# KiCad board nvme Carrier for LattePanda Mu.kicad_pcb (continued)
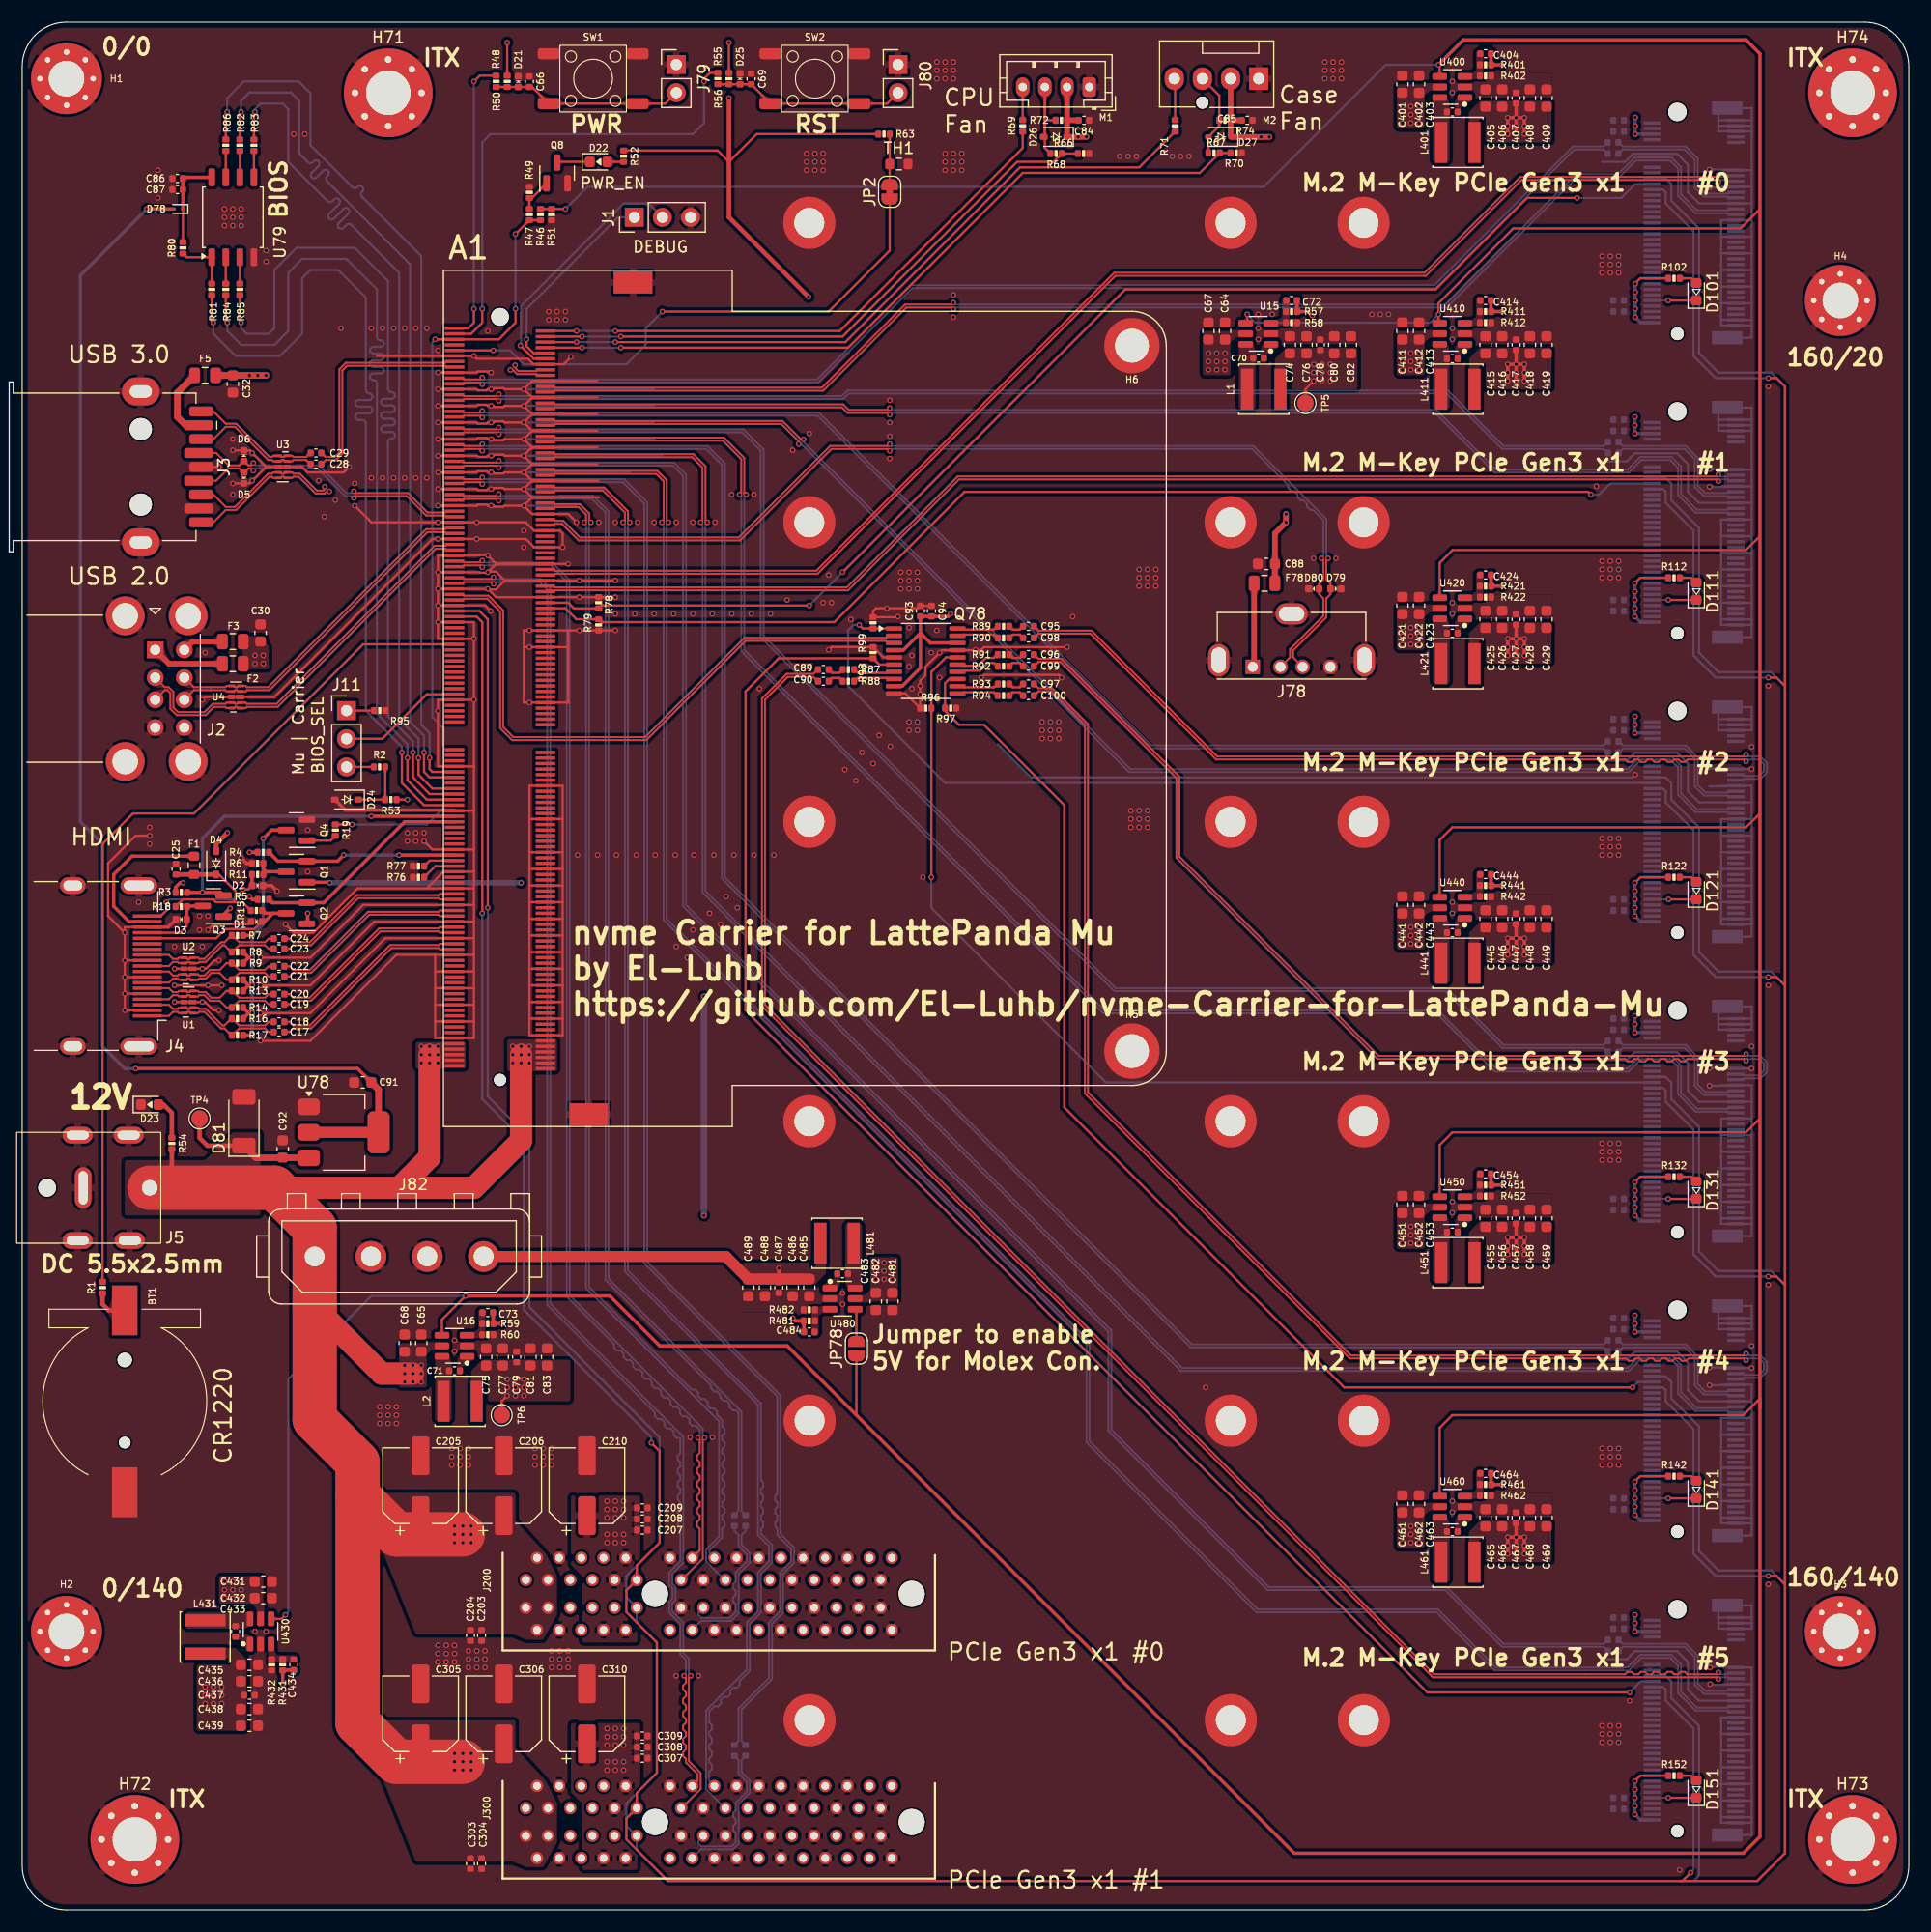
[diagram p0: board, top side]
## Routing (per net, layer and track width the routed paths; a pad name or vN(x,y) marks a point on that pad's centre or on a via; arc(x,y) is an arc through that point) (continued)
/Fan_Temp/FAN_1_PWM: length 51.4
  Top w0.2: R69.1 90.25,158.85 73.75,142.35 v1(53.5,142.35) ; A1.2 v1(50,142.35)
  Bottom w0.2: v1(50,142.35) v1(53.5,142.35)
/Fan_Temp/FAN_1_TAC: length 54.9
  Top w0.2: R66.1 R68.2 93.02,157.6 89.75,157.6 74,141.85 v1(54,141.85) ; v1(50.5,141.85) A1.4
  Bottom w0.2: v1(54,141.85) v1(50.5,141.85)
/Fan_Temp/FAN_2_PWM: length 64.7
  Top w0.2: R71.1 100.76,157.1 90,157.1 74.25,141.35 v1(53.5,141.35) ; A1.6 v1(50,141.35)
  Bottom w0.2: v1(50,141.35) v1(53.5,141.35)
/Fan_Temp/FAN_2_TAC: length 69.1
  Top w0.2: R67.1 R70.1 106.22,156.6 90.25,156.6 74.5,140.85 v1(54,140.85) ; A1.8 v1(50.5,140.85)
  Bottom w0.2: v1(50.5,140.85) v1(54,140.85)
/Fan_Temp/TEMP: length 49.5
  Top w0.2: v1(57.75,144.1) 72.75,144.1 78.25,149.6 JP2.1 ; v1(42.5,140.6) A1.9
  Bottom w0.2: v1(42.5,140.6) 44,140.6 45.25,139.35 54.5,139.35 56.25,141.1 56.25,142.6 v1(57.75,144.1)
/HDMI/DDC_SCL: length 14.5
  Top w0.2: J4.15 17.5,87.6 18.33,88.43 20.94,88.43 D1.2
  Top w0.3: 22.62,89.85 21.87,89.1 D1.2 ; 22.62,89.85 21.89,89.85 R15.2 ; 22.62,89.85 Q2.3
/HDMI/DDC_SDA: length 7
  Top w0.2: D3.2 14.84,88.69 14.25,88.1 J4.16
  Top w0.3: Q3.3 14.92,90.51 R18.2 14.84,90.43 D3.2
/HDMI/DDI_B_DDC_SCL: length 19.9
  Top w0.3: R5.2 22.56,90.8 Q2.2 27.2,90.8 34.5,98.1 A1.171
/HDMI/DDI_B_DDC_SDA: length 31.9
  Top w0.3: v1(31.5,98.6) A1.169 ; Q3.2 17.89,91.74 R3.2
  Bottom w0.3: v1(31.5,98.6) 18.25,98.6 16.25,96.6 v1(16.25,91.74)
/HDMI/DDI_B_HPD: length 17.3
  Top w0.3: v1(29,95.1) 28.45,94.55 Q1.2 23.06,94.55 R4.2 ; v1(34,95.1) A1.183
  Bottom w0.3: v1(29,95.1) v1(34,95.1)
/HDMI/DDI_B_TX0+: length 18.5
  Top w0.171: A1.217 37.69,86.6 37.57,86.71 33.31,86.71 26.06,79.47 24.44,79.47 24.12,79.15 C17.1
/HDMI/DDI_B_TX0-: length 18.5
  Top w0.171: C18.1 24.12,80.07 24.44,79.74 25.95,79.74 33.19,86.99 37.57,86.99 37.69,87.1 A1.215
/HDMI/DDI_B_TX1+: length 18.1
  Top w0.171: A1.211 37.69,88.1 37.57,88.21 32.31,88.21 26.06,81.97 24.44,81.97 24.12,81.65 C19.1
/HDMI/DDI_B_TX1-: length 18.1
  Top w0.171: C20.1 24.12,82.57 24.44,82.24 25.95,82.24 32.19,88.49 37.57,88.49 37.69,88.6 A1.209
/HDMI/DDI_B_TX2+: length 17.7
  Top w0.171: A1.205 37.69,89.6 37.57,89.71 31.31,89.71 26.07,84.48 24.44,84.48 24.12,84.15 C21.1
/HDMI/DDI_B_TX2-: length 17.7
  Top w0.171: A1.203 37.69,90.1 37.57,89.99 31.19,89.99 25.96,84.75 24.44,84.75 24.12,85.07 C22.1
/HDMI/DDI_B_TX3+: length 17.3
  Top w0.171: C23.1 24.12,86.64 24.44,86.97 26.06,86.97 30.31,91.21 37.57,91.21 37.69,91.1 A1.199
/HDMI/DDI_B_TX3-: length 17.3
  Top w0.171: A1.197 37.69,91.6 37.57,91.49 30.19,91.49 25.95,87.24 24.44,87.24 24.12,87.56 C24.1
/HDMI/HPD: length 12.1
  Top w0.2: v1(13,90.85) 13,90.1 12.5,89.6 J4.19 ; v1(19.92,92) 20.4,92 D2.2
  Top w0.3: D2.2 20.73,92.37 R11.2
  Bottom w0.2: v1(13,90.85) 13.25,91.1 19.02,91.1 v1(19.92,92)
/HDMI/TMDS_CK+: length 13
  Top w0.171: J4.10 13.24,85.1 13.6,85.46 14.03,85.46 14.14,85.35 U2.7 14.8,85.35 14.91,85.46 15.09,85.46 15.2,85.35 U2.4 15.86,85.35 15.97,85.46 16.56,85.46 18.06,86.97 18.25,86.97 18.86,86.36 R8.1 18.96,86.36 19.57,86.97 19.78,86.97 19.78,86.97 21.9,86.97 22.22,86.64 C23.2
/HDMI/TMDS_CK-: length 13
  Top w0.171: J4.12 13.24,86.1 13.6,85.74 14.03,85.74 14.14,85.85 U2.6 14.8,85.85 14.91,85.74 15.09,85.74 15.2,85.85 U2.5 15.86,85.85 15.97,85.74 16.44,85.74 17.95,87.24 18.25,87.24 18.86,87.86 R7.1 18.96,87.86 19.57,87.24 19.89,87.24 19.89,87.24 21.9,87.24 22.22,87.56 C24.2
/HDMI/TMDS_D0+: length 12.6
  Top w0.171: J4.7 13.24,83.6 13.6,83.96 14.03,83.96 14.14,83.85 U2.10 14.8,83.85 14.91,83.96 15.09,83.96 15.2,83.85 U2.1 15.86,83.85 15.97,83.96 16.56,83.96 17.06,84.47 17.82,84.47 18.43,83.86 R10.1 18.96,83.86 19.57,84.47 19.99,84.47 20,84.48 21.9,84.48 22.22,84.15 C21.2
/HDMI/TMDS_D0-: length 12.6
  Top w0.171: C22.2 22.22,85.07 21.9,84.75 19.9,84.75 19.89,84.74 19.57,84.74 18.96,85.36 R9.1 18.43,85.36 17.82,84.74 16.95,84.74 16.44,84.24 15.97,84.24 15.86,84.35 U2.2 15.2,84.35 15.09,84.24 14.91,84.24 14.8,84.35 U2.9 14.14,84.35 14.03,84.24 13.6,84.24 13.24,84.6 J4.9
/HDMI/TMDS_D1+: length 12.6
  Top w0.171: C19.2 22.22,81.65 21.9,81.97 19.57,81.97 18.96,81.36 R14.1 18.43,81.36 17.82,81.97 16.94,81.97 16.44,82.46 15.97,82.46 15.86,82.35 U1.4 15.2,82.35 15.09,82.46 14.91,82.46 14.8,82.35 U1.7 14.14,82.35 14.03,82.46 13.6,82.46 13.24,82.1 J4.4
/HDMI/TMDS_D1-: length 12.6
  Top w0.171: C20.2 22.22,82.57 21.9,82.24 19.57,82.24 18.96,82.86 R13.1 18.43,82.86 17.82,82.24 17.05,82.24 16.56,82.74 15.97,82.74 15.86,82.85 U1.5 15.2,82.85 15.09,82.74 14.91,82.74 14.8,82.85 U1.6 14.14,82.85 14.03,82.74 13.6,82.74 13.24,83.1 J4.6
/HDMI/TMDS_D2+: length 13
  Top w0.171: J4.1 13.24,80.6 13.6,80.96 14.03,80.96 14.14,80.85 U1.10 14.8,80.85 14.91,80.96 15.09,80.96 15.2,80.85 U1.1 15.86,80.85 15.97,80.96 16.44,80.96 17.94,79.47 18.25,79.47 18.86,78.86 R17.1 18.96,78.86 19.57,79.47 21.9,79.47 22.22,79.15 C17.2
/HDMI/TMDS_D2-: length 13
  Top w0.171: J4.3 13.24,81.6 13.6,81.24 14.03,81.24 14.14,81.35 U1.9 14.8,81.35 14.91,81.24 15.09,81.24 15.2,81.35 U1.2 15.86,81.35 15.97,81.24 16.56,81.24 18.05,79.74 18.25,79.74 18.86,80.36 R16.1 18.96,80.36 19.57,79.74 21.9,79.74 22.22,80.07 C18.2
/LattePanda Module/CLKREQ3: length 115.9
  Top w0.2: v1(74,120.6) 99.5,146.1 127.5,146.1 135.75,154.35 v1(140.25,154.35) ; A1.100 49.25,117.85 49.76,117.34 R79.1 52.26,117.6 v1(71,117.6)
  Bottom w0.2: v1(140.25,154.35) 144.25,154.35 145.5,155.6 147.02,155.6 ; v1(71,117.6) v1(74,120.6)
/LattePanda Module/CLKREQ4: length 105.7
  Top w0.2: v1(141.5,127.6) 141.25,127.85 85,127.85 73.25,116.1 52.26,116.1 R78.1 49.99,116.36 49,117.35 A1.102
  Bottom w0.2: J110.52 143.25,128.6 142.25,127.6 v1(141.5,127.6)
/LattePanda Module/HSIO_0_TX+: length 20.1
  Top w0.171: C29.1 27.01,131.35 27.37,130.99 28.19,130.99 28.61,131.41 28.61,138.91 29.19,139.49 38.16,139.49 38.27,139.6 A1.13
/LattePanda Module/HSIO_0_TX-: length 20.1
  Top w0.171: C28.1 27.01,130.35 27.37,130.71 28.31,130.71 28.89,131.29 28.89,138.79 29.31,139.21 38.16,139.21 38.27,139.1 A1.15
/LattePanda Module/HSIO_1_RX+: length 119.6
  Top w0.171: A1.22 47.93,137.35 48.04,137.24 72.14,137.24 79.64,144.74 83.84,144.74 v1(84,144.9)
  Bottom w0.171: v1(84,144.9) 84.16,144.74 128.39,144.74 140.14,156.49 143.94,156.49 145.44,157.99 148.78,157.99 149.64,157.13 149.64,154.66 151.06,153.24 153.84,153.24 153.95,153.35 J100.43
/LattePanda Module/HSIO_1_RX-: length 119.6
  Top w0.171: v1(84,144.3) 83.84,144.46 79.75,144.46 72.25,136.96 48.04,136.96 47.93,136.85 A1.24
  Bottom w0.171: J100.41 153.95,152.85 153.84,152.96 150.94,152.96 149.36,154.54 149.36,157.01 148.66,157.71 145.56,157.71 144.06,156.21 140.25,156.21 128.5,144.46 84.16,144.46 v1(84,144.3)
/LattePanda Module/HSIO_1_TX+: length 113.1
  Top w0.171: v1(41.5,138.15) 41.34,137.99 40.35,137.99 40.35,137.99 39.84,137.99 39.73,138.1 A1.19
  Bottom w0.171: C105.1 142.99,159.35 142.63,158.99 139.89,158.99 127.39,146.49 80.19,146.49 71.69,137.99 41.66,137.99 v1(41.5,138.15)
/LattePanda Module/HSIO_1_TX-: length 113.1
  Top w0.171: v1(41.5,137.55) 41.34,137.71 40.25,137.71 39.84,137.71 39.73,137.6 A1.21
  Bottom w0.171: C106.1 142.99,158.35 142.63,158.71 140,158.71 127.5,146.21 80.31,146.21 71.81,137.71 41.66,137.71 v1(41.5,137.55)
/LattePanda Module/HSIO_2_RX+: length 113.9
  Top w0.171: A1.28 47.93,135.85 48.04,135.74 74.06,135.74 74.56,135.24 78.09,135.24 v1(78.25,135.4)
  Bottom w0.171: J110.43 153.95,126.35 153.84,126.24 151.06,126.24 149.64,127.66 149.64,130.13 148.78,130.99 145.94,130.99 144.81,129.85 132.94,129.85 127.56,135.24 78.41,135.24 v1(78.25,135.4)
/LattePanda Module/HSIO_2_RX-: length 113.9
  Top w0.171: A1.30 47.93,135.35 48.04,135.46 73.94,135.46 74.44,134.96 78.09,134.96 v1(78.25,134.8)
  Bottom w0.171: v1(78.25,134.8) 78.41,134.96 127.44,134.96 132.83,129.58 144.92,129.58 146.06,130.71 148.66,130.71 149.36,130.01 149.36,127.54 150.94,125.96 153.84,125.96 153.95,125.85 J110.41
/LattePanda Module/HSIO_2_TX+: length 106.7
  Top w0.171: A1.25 39.73,136.6 39.84,136.49 40.35,136.49 40.35,136.49 42.84,136.49 v1(43,136.65)
  Bottom w0.171: C115.1 143.01,132.35 142.65,131.99 133.61,131.99 128.61,136.99 74.44,136.99 73.94,136.49 43.16,136.49 v1(43,136.65)
/LattePanda Module/HSIO_2_TX-: length 106.7
  Top w0.171: v1(43,136.05) 42.84,136.21 40.25,136.21 39.84,136.21 39.73,136.1 A1.27
  Bottom w0.171: v1(43,136.05) 43.16,136.21 74.06,136.21 74.56,136.71 128.5,136.71 133.5,131.71 142.65,131.71 143.01,131.35 C116.1
/LattePanda Module/HSIO_3_RX+: length 124.5
  Top w0.171: A1.34 47.93,134.35 48.04,134.24 68.59,134.24 70.24,132.58 v1(70.48,132.58)
  Bottom w0.171: v1(70.48,132.58) 70.48,132.34 99.97,102.85 144.81,102.85 145.94,103.99 148.78,103.99 149.64,103.13 149.64,100.66 151.06,99.24 153.84,99.24 153.95,99.35 J120.43
/LattePanda Module/HSIO_3_RX-: length 124.5
  Top w0.171: A1.36 47.93,133.85 48.04,133.96 68.47,133.96 70.05,132.38 v1(70.05,132.15)
  Bottom w0.171: J120.41 153.95,98.85 153.84,98.96 150.94,98.96 149.36,100.54 149.36,103.01 148.66,103.71 146.06,103.71 144.92,102.58 99.86,102.58 70.28,132.15 v1(70.05,132.15)
/LattePanda Module/HSIO_3_TX+: length 116.8
  Top w0.171: v1(41.5,135.15) 41.34,134.99 40.35,134.99 40.35,134.99 39.84,134.99 39.73,135.1 A1.31
  Bottom w0.171: 143.04,105.35 143.01,105.35 142.65,104.99 101.86,104.99 71.86,134.99 41.66,134.99 v1(41.5,135.15)
/LattePanda Module/HSIO_3_TX-: length 116.8
  Top w0.171: A1.33 39.73,134.6 39.84,134.71 40.25,134.71 41.34,134.71 v1(41.5,134.55)
  Bottom w0.171: v1(41.5,134.55) 41.66,134.71 71.75,134.71 101.75,104.71 142.65,104.71 143.01,104.35 143.04,104.35
/LattePanda Module/HSIO_6_RX+: length 106.4
  Top w0.171: v1(51.3,125.1) 51.14,125.26 51.14,125.91 50.31,126.74 48.04,126.74 47.93,126.85 A1.64
  Bottom w0.171: J200.A16 62,32.18 62,32.41 63.14,33.54 63.14,34.35 63.37,34.58 63.37,34.95 63.14,35.18 63.14,35.55 63.37,35.78 63.37,36.15 63.14,36.38 63.14,36.75 63.37,36.98 63.37,37.35 63.14,37.58 63.14,37.95 63.37,38.18 63.37,38.55 63.14,38.78 63.14,39.15 63.37,39.38 63.37,39.75 63.14,39.98 63.14,40.35 63.37,40.58 63.37,40.95 63.14,41.18 63.14,41.55 63.37,41.78 63.37,42.15 63.14,42.38 63.14,42.75 63.37,42.98 63.37,43.35 63.14,43.58 63.14,44.16 62.68,44.62 62.68,44.95 62.42,45.21 62.09,45.21 61.83,45.46 61.83,45.79 61.57,46.05 61.24,46.05 60.98,46.31 60.98,46.64 60.72,46.9 60.39,46.9 51.14,56.16 51.14,124.94 v1(51.3,125.1)
/LattePanda Module/HSIO_6_RX-: length 106.4
  Top w0.171: A1.66 47.93,126.35 48.04,126.46 50.19,126.46 50.86,125.79 50.86,125.26 v1(50.7,125.1)
  Bottom w0.171: v1(50.7,125.1) 50.86,124.94 50.86,56.04 62.86,44.04 62.86,33.66 61.7,32.49 61.7,31.4 63.36,29.74 J200.A17
/LattePanda Module/HSIO_6_TX+: length 110.3
  Top w0.171: A1.61 39.73,127.6 39.84,127.49 40.35,127.49 40.35,127.49 42.84,127.49 v1(43,127.65)
  Bottom w0.171: v1(43,127.65) 43.16,127.49 51.5,127.49 52.89,126.1 52.89,56.91 64.89,44.91 64.89,35.97 65.25,35.61 C201.1
/LattePanda Module/HSIO_6_TX-: length 110.3
  Top w0.171: v1(43,127.05) 42.84,127.21 40.25,127.21 39.84,127.21 39.73,127.1 A1.63
  Bottom w0.171: C202.1 64.25,35.61 64.61,35.97 64.61,44.79 64.37,45.04 64.11,45.04 63.81,45.34 63.81,45.59 63.52,45.89 63.26,45.89 62.96,46.19 62.96,46.44 62.67,46.74 62.41,46.74 62.12,47.04 62.12,47.29 52.61,56.79 52.61,125.99 51.39,127.21 43.16,127.21 v1(43,127.05)
/LattePanda Module/HSIO_8_RX+: length 145.2
  Top w0.171: A1.40 47.93,132.85 48.04,132.74 63.31,132.74 65.14,130.91 65.14,127.76 v1(65.3,127.6)
  Bottom w0.171: v1(65.3,127.6) 65.14,127.44 65.14,113.6 97.63,81.1 127.69,81.1 132.94,75.85 144.81,75.85 145.94,76.99 148.78,76.99 149.64,76.13 149.64,73.66 151.06,72.24 153.84,72.24 153.95,72.35 J130.43
/LattePanda Module/HSIO_8_RX-: length 145.2
  Top w0.171: A1.42 47.93,132.35 48.04,132.46 63.19,132.46 64.86,130.79 64.86,127.76 v1(64.7,127.6)
  Bottom w0.171: v1(64.7,127.6) 64.86,127.44 64.86,113.49 97.52,80.83 127.58,80.83 132.83,75.58 144.92,75.58 146.06,76.71 148.66,76.71 149.36,76.01 149.36,73.54 150.94,71.96 153.84,71.96 153.95,71.85 J130.41
/LattePanda Module/HSIO_8_TX+: length 137.2
  Top w0.171: v1(43,133.65) 42.84,133.49 40.35,133.49 40.35,133.49 39.84,133.49 39.73,133.6 A1.37
  Bottom w0.171: 143.04,78.35 143.01,78.35 142.65,77.99 133.61,77.99 128.5,83.1 98.63,83.1 66.89,114.85 66.89,131.66 65.06,133.49 43.16,133.49 v1(43,133.65)
/LattePanda Module/HSIO_8_TX-: length 137.2
  Top w0.171: A1.39 39.73,133.1 39.84,133.21 40.25,133.21 42.84,133.21 v1(43,133.05)
  Bottom w0.171: v1(43,133.05) 43.16,133.21 64.94,133.21 66.61,131.54 66.61,114.74 98.52,82.83 128.39,82.83 133.5,77.71 142.65,77.71 143.01,77.35 143.04,77.35
/LattePanda Module/HSIO_9_RX+: length 168.1
  Top w0.171: A1.46 47.93,131.35 48.04,131.24 60.56,131.24 61.64,130.16 61.64,125.26 v1(61.8,125.1)
  Bottom w0.171: v1(61.8,125.1) 61.64,124.94 61.64,91.85 104.63,48.85 144.81,48.85 145.94,49.99 148.78,49.99 149.64,49.13 149.64,46.66 151.06,45.24 153.84,45.24 153.95,45.35 J140.43
/LattePanda Module/HSIO_9_RX-: length 168.1
  Top w0.171: v1(61.2,125.1) 61.36,125.26 61.36,130.04 60.44,130.96 48.04,130.96 47.93,130.85 A1.48
  Bottom w0.171: v1(61.2,125.1) 61.36,124.94 61.36,91.74 104.52,48.58 144.92,48.58 146.06,49.71 148.66,49.71 149.36,49.01 149.36,46.54 150.94,44.96 153.84,44.96 153.95,44.85 J140.41
/LattePanda Module/HSIO_9_TX+: length 159.8
  Top w0.171: A1.43 39.73,132.1 39.84,131.99 40.35,131.99 40.35,131.99 41.34,131.99 v1(41.5,132.15)
  Bottom w0.171: 143.04,51.35 143.01,51.35 142.65,50.99 105.5,50.99 63.39,93.1 63.39,130.41 61.81,131.99 41.66,131.99 v1(41.5,132.15)
/LattePanda Module/HSIO_9_TX-: length 159.8
  Top w0.171: A1.45 39.73,131.6 39.84,131.71 40.25,131.71 41.34,131.71 v1(41.5,131.55)
  Bottom w0.171: 143.04,50.35 143.01,50.35 142.65,50.71 105.39,50.71 63.11,92.99 63.11,130.29 61.69,131.71 41.66,131.71 v1(41.5,131.55)
/LattePanda Module/HSIO_10_RX+: length 184.6
  Top w0.171: v1(58.3,125.1) 58.14,125.26 58.14,128.91 57.31,129.74 48.04,129.74 47.93,129.85 A1.52
  Bottom w0.171: J150.43 153.95,18.35 153.84,18.24 151.06,18.24 149.64,19.66 149.64,22.13 148.78,22.99 145.94,22.99 144.81,21.85 132.94,21.85 127.69,27.1 111.44,27.1 96.27,42.27 96.27,51.21 58.14,89.35 58.14,124.94 v1(58.3,125.1)
/LattePanda Module/HSIO_10_RX-: length 184.6
  Top w0.171: v1(57.7,125.1) 57.86,125.26 57.86,128.79 57.19,129.46 48.04,129.46 47.93,129.35 A1.54
  Bottom w0.171: v1(57.7,125.1) 57.86,124.94 57.86,89.24 96,51.1 96,42.16 111.33,26.83 127.58,26.83 132.83,21.58 144.92,21.58 146.06,22.71 148.66,22.71 149.36,22.01 149.36,19.54 150.94,17.96 153.84,17.96 153.95,17.85 J150.41
/LattePanda Module/HSIO_10_TX+: length 176.5
  Top w0.171: v1(43,130.65) 42.84,130.49 40.35,130.49 40.35,130.49 39.84,130.49 39.73,130.6 A1.49
  Bottom w0.171: C155.1 143.01,24.35 142.65,23.99 133.61,23.99 128.5,29.1 112.44,29.1 98.25,43.29 98.25,52.23 59.89,90.6 59.89,129.41 58.81,130.49 43.16,130.49 v1(43,130.65)
/LattePanda Module/HSIO_10_TX-: length 176.5
  Top w0.171: A1.51 39.73,130.1 39.84,130.21 40.25,130.21 42.84,130.21 v1(43,130.05)
  Bottom w0.171: v1(43,130.05) 43.16,130.21 58.69,130.21 59.61,129.29 59.61,90.49 97.98,52.12 97.98,43.18 112.33,28.83 128.39,28.83 133.5,23.71 142.65,23.71 143.01,23.35 C156.1
/LattePanda Module/HSIO_11_RX+: length 133.4
  Top w0.171: A1.58 47.93,128.35 48.04,128.24 52.5,128.24 54.64,126.1 54.64,125.26 v1(54.8,125.1)
  Bottom w0.171: v1(54.8,125.1) 54.64,124.94 54.64,57.66 66.64,45.66 66.64,38.74 66.83,38.55 66.83,38.14 66.64,37.95 66.64,37.54 66.83,37.35 66.83,36.94 66.64,36.75 66.64,36.34 66.83,36.15 66.83,35.74 66.64,35.55 66.64,35.14 66.83,34.95 66.83,34.54 66.64,34.35 66.64,33.91 67.64,32.91 67.64,31.29 66.64,30.29 66.64,26.79 65.64,25.79 65.64,21.54 64.73,20.64 64.73,20.28 64.48,20.04 64.13,20.04 63.88,19.79 63.88,19.44 63.63,19.19 63.28,19.19 63.03,18.94 63.03,18.59 62.79,18.34 62.43,18.34 61.97,17.88 61.97,16.89 62.22,16.64 62.22,16.29 61.97,16.04 61.97,15.69 62.22,15.44 62.22,15.09 61.97,14.84 61.97,14.49 62.22,14.24 62.22,13.89 61.97,13.64 61.97,13.29 62.22,13.04 62.22,12.69 61.97,12.44 61.97,11.63 J300.A16
/LattePanda Module/HSIO_11_RX-: length 133.5
  Top w0.171: v1(54.2,125.1) 54.36,125.26 54.36,125.99 52.39,127.96 48.04,127.96 47.93,127.85 A1.60
  Bottom w0.171: v1(54.2,125.1) 54.36,124.94 54.36,57.54 66.36,45.54 66.36,33.79 67.36,32.79 67.36,31.41 66.36,30.41 66.36,26.91 65.36,25.91 65.36,21.66 61.7,17.99 61.7,10.86 63.39,9.17 J300.A17
/LattePanda Module/HSIO_11_TX+: length 138.1
  Top w0.171: A1.55 39.73,129.1 39.84,128.99 40.35,128.99 40.35,128.99 41.34,128.99 v1(41.5,129.15)
  Bottom w0.171: v1(41.5,129.15) 41.66,128.99 54.31,128.99 56.39,126.91 56.39,58.41 68.39,46.41 68.39,33.91 69.64,32.66 69.64,31.29 68.64,30.29 68.64,26.79 67.64,25.79 67.64,20.79 64.89,18.04 64.89,15.24 65.25,14.88 C301.1
/LattePanda Module/HSIO_11_TX-: length 138.1
  Top w0.171: A1.57 39.73,128.6 39.84,128.71 40.25,128.71 41.34,128.71 v1(41.5,128.55)
  Bottom w0.171: C302.1 64.25,14.88 64.61,15.24 64.61,18.16 67.36,20.91 67.36,25.91 68.36,26.91 68.36,30.41 69.36,31.41 69.36,32.54 68.11,33.79 68.11,34.35 67.93,34.53 67.93,34.95 68.11,35.13 68.11,35.55 67.93,35.73 67.93,36.15 68.11,36.33 68.11,36.75 67.93,36.93 67.93,37.35 68.11,37.53 68.11,46.29 56.11,58.29 56.11,126.79 54.19,128.71 41.66,128.71 v1(41.5,128.55)
/LattePanda Module/REFCLK0+: length 107.3
  Top w0.171: v1(61.56,42.56) 61.39,42.4 61.39,31.65 59.48,29.74 J200.A13 ; v1(41.5,121.65) 41.34,121.49 39.84,121.49 39.73,121.6 A1.85
  Bottom w0.171: v1(61.56,42.56) 61.39,42.73 61.39,43.4 49.39,55.41 49.39,119.91 47.81,121.49 41.66,121.49 v1(41.5,121.65)
/LattePanda Module/REFCLK0-: length 107.3
  Top w0.171: v1(60.96,42.56) 61.12,42.4 61.12,41.2 60.87,40.95 60.87,40.6 61.12,40.35 61.12,40 60.87,39.75 60.87,39.4 61.12,39.15 61.12,38.8 60.87,38.55 60.87,38.2 61.12,37.95 61.12,37.6 60.87,37.35 60.87,37 61.12,36.75 61.12,36.4 60.87,36.15 60.87,35.8 61.12,35.55 61.12,35.2 60.87,34.95 60.87,34.6 61.12,34.35 61.12,32.42 J200.A14 ; A1.87 39.73,121.1 39.84,121.21 41.34,121.21 v1(41.5,121.05)
  Bottom w0.171: v1(41.5,121.05) 41.66,121.21 47.69,121.21 49.11,119.79 49.11,55.29 53.4,51.01 53.4,50.68 53.66,50.42 53.99,50.42 54.25,50.16 54.25,49.83 54.51,49.57 54.84,49.57 55.1,49.31 55.1,48.98 55.35,48.72 55.69,48.72 55.94,48.46 55.94,48.13 56.2,47.87 56.53,47.87 56.79,47.61 56.79,47.28 57.05,47.02 57.38,47.02 57.64,46.77 57.64,46.43 57.9,46.18 58.23,46.18 58.49,45.92 58.49,45.59 58.75,45.33 59.08,45.33 59.34,45.07 59.34,44.74 59.6,44.48 59.93,44.48 60.19,44.22 60.19,43.89 60.45,43.63 60.78,43.63 61.12,43.29 61.12,42.73 v1(60.96,42.56)
/LattePanda Module/REFCLK1+: length 126.7
  Top w0.171: A1.91 39.73,120.1 39.84,119.99 42.36,119.99 v1(42.53,120.15) ; v1(60.3,21.1) 60.14,20.94 60.14,13.41 61.2,12.34 61.2,10.89 59.48,9.17 J300.A13
  Bottom w0.171: v1(60.3,21.1) 60.14,21.26 60.14,22.66 59.64,23.16 59.64,25.91 58.64,26.91 58.64,27.64 58.94,27.94 58.94,29.11 58.64,29.41 58.64,30.29 59.64,31.29 59.64,42.66 47.64,54.66 47.64,119.16 46.81,119.99 42.69,119.99 v1(42.53,120.15)
/LattePanda Module/REFCLK1-: length 126.7
  Top w0.171: A1.93 39.73,119.6 39.84,119.71 42.36,119.71 v1(42.53,119.55) ; v1(59.7,21.1) 59.86,20.94 59.86,20.47 59.61,20.22 59.61,19.87 59.86,19.62 59.86,19.27 59.61,19.02 59.61,18.67 59.86,18.42 59.86,18.07 59.61,17.82 59.61,17.47 59.86,17.22 59.86,16.87 59.61,16.62 59.61,16.27 59.86,16.02 59.86,15.67 59.61,15.42 59.61,15.07 59.86,14.82 59.86,14.47 59.61,14.22 59.61,13.87 59.86,13.62 59.86,13.29 60.93,12.23 60.93,11.66 J300.A14
  Bottom w0.171: v1(59.7,21.1) 59.86,21.26 59.86,22.54 59.36,23.04 59.36,25.79 58.36,26.79 58.36,27.76 58.66,28.06 58.66,28.99 58.36,29.29 58.36,30.41 59.36,31.41 59.36,34.35 59.13,34.58 59.13,34.95 59.36,35.18 59.36,35.55 59.13,35.78 59.13,36.15 59.36,36.38 59.36,36.75 59.13,36.98 59.13,37.35 59.36,37.58 59.36,37.95 59.13,38.18 59.13,38.55 59.36,38.78 59.36,39.15 59.13,39.38 59.13,39.75 59.36,39.98 59.36,40.35 59.13,40.58 59.13,40.95 59.36,41.18 59.36,42.54 59.03,42.54 58.77,42.8 58.77,43.13 58.52,43.39 58.18,43.39 57.93,43.65 57.93,43.98 57.67,44.24 57.34,44.24 57.08,44.5 57.08,44.83 47.36,54.54 47.36,119.04 46.69,119.71 42.69,119.71 v1(42.53,119.55)
/LattePanda Module/REFCLK2+: length 54.9
  Top w0.171: A1.97 39.73,118.6 39.84,118.49 42.06,118.49 43.39,117.16 43.39,106.66 44.31,105.74 56.19,105.74 65.14,114.69 77.91,114.69 78.1,114.88 Q78.2
/LattePanda Module/REFCLK2-: length 54.9
  Top w0.171: Q78.3 78.1,114.23 77.91,114.41 65.26,114.41 56.31,105.46 44.19,105.46 43.11,106.54 43.11,117.04 41.94,118.21 39.84,118.21 39.73,118.1 A1.99
/LattePanda Module/REFCLK3+: length 122.3
  Top w0.171: A1.88 47.93,120.85 48.04,120.74 71.64,120.74 98.5,147.6 126.5,147.6 135.14,156.24 152.84,156.24 v1(153,156.4)
  Bottom w0.171: v1(153,156.4) 153.16,156.24 153.84,156.24 153.95,156.35 J100.55
/LattePanda Module/REFCLK3-: length 122.3
  Top w0.171: v1(153,155.8) 152.84,155.96 135.25,155.96 126.61,147.33 98.61,147.33 71.75,120.46 48.04,120.46 47.93,120.35 A1.90
  Bottom w0.171: J100.53 153.95,155.85 153.84,155.96 153.16,155.96 v1(153,155.8)
/LattePanda Module/REFCLK4+: length 111.7
  Top w0.171: A1.94 47.93,119.35 48.04,119.24 74.39,119.24 84.39,129.24 152.84,129.24 v1(153,129.4)
  Bottom w0.171: J110.55 153.95,129.35 153.84,129.24 153.16,129.24 v1(153,129.4)
/LattePanda Module/REFCLK4-: length 111.7
  Top w0.171: A1.96 47.31,118.96 74.5,118.96 84.5,128.96 152.84,128.96 v1(153,128.8)
  Bottom w0.171: v1(153,128.8) 153.16,128.96 153.84,128.96 153.95,128.85 J110.53
/LattePanda Module/USB_2_P4+: length 92.8
  Top w0.171: J78.3 114.64,112.93 114.64,113.54 117.64,116.54 117.64,118.24 118.01,118.62 D79.2 118.01,119.58 117.64,119.96 117.64,121.69 v1(117.8,121.85) ; v1(78.25,132.15) 78.09,131.99 72.89,131.99 64.64,123.74 50.31,123.74 48.81,125.24 48.04,125.24 47.93,125.35 A1.70
  Bottom w0.171: v1(78.25,132.15) 78.41,131.99 111.06,131.99 117.64,125.41 117.64,122.01 v1(117.8,121.85)
/LattePanda Module/USB_2_P4-: length 92.8
  Top w0.171: v1(117.2,121.85) 117.36,121.69 117.36,119.96 116.98,119.58 D80.2 116.98,118.62 117.36,118.24 117.36,116.66 114.36,113.66 114.36,112.93 J78.2 ; A1.72 47.93,124.85 48.04,124.96 48.69,124.96 50.19,123.46 64.75,123.46 73,131.71 78.09,131.71 v1(78.25,131.55)
  Bottom w0.171: v1(78.25,131.55) 78.41,131.71 110.94,131.71 114.2,128.46 114.2,128.21 114.49,127.91 114.75,127.91 115.04,127.61 115.04,127.36 115.34,127.06 115.6,127.06 115.89,126.77 115.89,126.51 116.19,126.21 116.44,126.21 117.36,125.29 117.36,122.01 v1(117.2,121.85)
/LattePanda Module/~{PWR_SW}: length 25.9
  Top w0.2: A1.1 40.25,142.6 40.75,143.1 v1(40.75,144.35) ; R48.2 41.27,165.37 v1(40.75,164.85)
  Bottom w0.2: v1(40.75,164.85) v1(40.75,144.35)
/LattePanda Module/~{RST_SW}: length 45.4
  Top w0.2: v1(41.5,144.35) 41.5,143.1 40.5,142.1 A1.3 ; R55.2 62.02,165.62 61.5,165.1 v1(61.5,164.85)
  Bottom w0.2: v1(61.5,164.85) 61.5,161.1 60.5,160.1 42.25,160.1 41.5,159.35 v1(41.5,144.35)
/M.2 M Key/CLKREQM2: length 85.6
  Top w0.2: Q78.1 78.63,115.53 R99.1 75.82,115.53 v1(75.5,115.85)
  Bottom w0.2: J120.52 83.25,101.6 74.5,110.35 74.5,115.35 75,115.85 v1(75.5,115.85)
/M.2 M Key/CLKREQM3: length 95.7
  Top w0.2: Q78.16 83.32,112.93 82.01,111.61 R97.1 v1(82.01,93.1)
  Bottom w0.2: J130.52 97.75,74.6 82.01,90.34 v1(82.01,93.1)
/M.2 M Key/CLKREQM4: length 109
  Top w0.2: v1(145.25,47.1) 119.25,47.1 94,72.35 94,99.6 86.75,106.85 84.5,106.85 83.24,108.11 R96.1 83.24,110.59 83.63,110.98 Q78.13
  Bottom w0.2: v1(145.25,47.1) 145.75,47.6 J140.52
/M.2 M Key/CLKREQM5: length 151.3
  Top w0.2: v1(145,19.6) 126.75,19.6 65.25,81.1 65.25,109.85 68.24,112.84 R98.1 77.31,112.28 Q78.6
  Bottom w0.2: v1(145,19.6) 146,20.6 J150.52
/M.2 M Key/CON_PCIE_TX_0+: length 14
  Bottom w0.171: J100.49 153.95,154.85 153.84,154.74 151.81,154.74 151.14,155.41 151.14,157.91 150.06,158.99 144.37,158.99 144.01,159.35 143.98,159.35
/M.2 M Key/CON_PCIE_TX_0-: length 14
  Bottom w0.171: 143.98,158.35 144.01,158.35 144.37,158.71 149.94,158.71 150.86,157.79 150.86,155.29 151.69,154.46 153.84,154.46 153.95,154.35 J100.47
/M.2 M Key/CON_PCIE_TX_1+: length 14
  Bottom w0.171: J110.49 153.95,127.85 153.84,127.74 151.81,127.74 151.14,128.41 151.14,130.91 150.06,131.99 144.39,131.99 144.03,132.35 C115.2
/M.2 M Key/CON_PCIE_TX_1-: length 14
  Bottom w0.171: C116.2 144.03,131.35 144.39,131.71 149.94,131.71 150.86,130.79 150.86,128.29 151.69,127.46 153.84,127.46 153.95,127.35 J110.47
/M.2 M Key/CON_PCIE_TX_2+: length 14
  Bottom w0.171: 144,105.35 144.03,105.35 144.39,104.99 150.06,104.99 151.14,103.91 151.14,101.41 151.81,100.74 153.84,100.74 153.95,100.85 J120.49
/M.2 M Key/CON_PCIE_TX_2-: length 14
  Bottom w0.171: J120.47 153.95,100.35 153.84,100.46 151.69,100.46 150.86,101.29 150.86,103.79 149.94,104.71 144.39,104.71 144.03,104.35 144,104.35
/M.2 M Key/CON_PCIE_TX_3+: length 14
  Bottom w0.171: 144,78.35 144.03,78.35 144.39,77.99 150.06,77.99 151.14,76.91 151.14,74.41 151.81,73.74 153.84,73.74 153.95,73.85 J130.49